# Allegro board 6089-103-RevB_76.brd (continued)
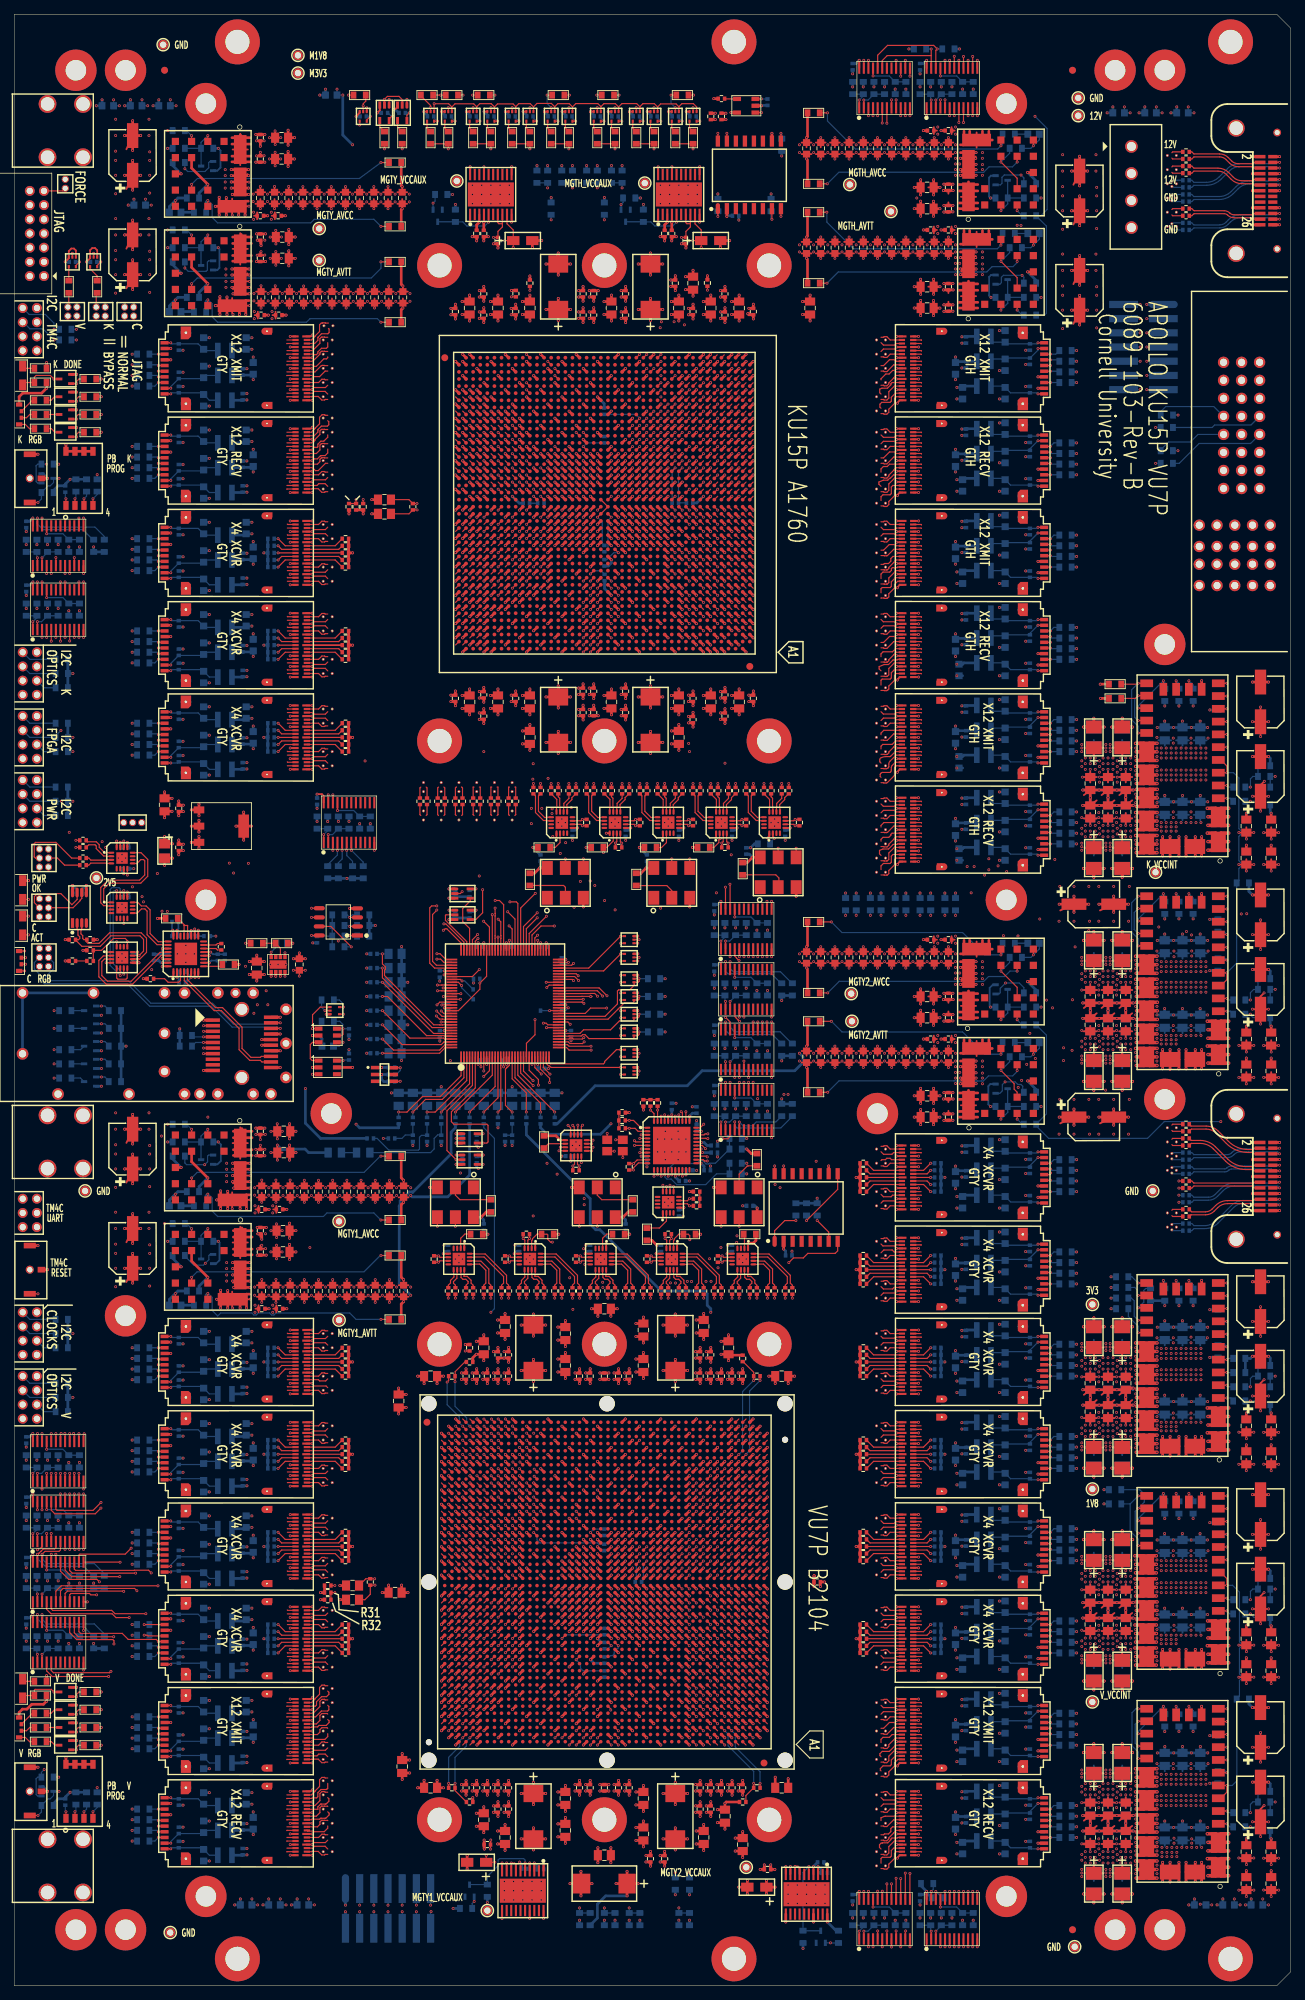
[diagram p0: board, top side]
## Routing (per net, layer and track width the routed paths; a pad name or vN(x,y) marks a point on that pad's centre or on a via; arc(x,y) is an arc through that point) (continued)
N7976167: length 31.1
  TOP w0.165: U15.8 v1(27.3,251.54) ; R74.1 v1(51.7,247.9)
  BOTTOM w0.165: v1(27.3,251.54) 27.36,251.54 27.91,251 27.91,249.17 28.68,248.4 41.8,248.4 42.3,248.9 50.7,248.9 v1(51.7,247.9)
  BOTTOM w0.381: v1(27.3,251.54) 27.06,251.31 R579.1
N7976190: length 1.9
  BOTTOM w0.381: 25.43,249.9 R579.2 C953.1
N7976427: length 29.7
  TOP w0.165: U15.11 v1(25.01,253.83) ; R73.1 v1(51.7,256.9)
  BOTTOM w0.165: v1(51.7,256.9) 48.65,254.65 25.83,254.65 v1(25.01,253.83)
N8075654: length 31.1
  TOP w0.165: U118.8 v1(139.1,259.26) ; R153.1 v1(114.65,263.9)
  BOTTOM w0.165: v1(114.65,263.9) 114.65,262.75 118.6,258.81 138.65,258.81 v1(139.1,259.26) 139.34,259.49 R329.1
N8076002: length 1.8
  BOTTOM w0.165: R329.2 C579.1
N8076188: length 4.6
  TOP w0.165: U118.17 v1(143.68,259.26)
  BOTTOM w0.165: R325.1 143.32,258.9 v1(143.68,259.26) 144.51,260.09 C579.2
N8076282: length 8
  TOP w0.165: U118.10 141.39,254.68 v1(139.1,256.97) U118.7
  BOTTOM w0.165: R325.2 140.34,258.2 v1(139.1,256.97)
N8076364: length 30
  TOP w0.165: R154.1 v1(114.63,253.9) ; U118.11 v1(141.39,256.97)
  BOTTOM w0.165: v1(114.63,253.9) 116.27,255.53 132.52,255.53 132.54,255.51 132.86,255.51 132.88,255.53 133.22,255.53 133.24,255.51 133.56,255.51 133.58,255.53 135.42,255.53 135.44,255.51 136.66,255.51 137.44,256.29 140.72,256.29 141.39,256.95 v1(141.39,256.97)
N8077950: length 30.9
  TOP w0.165: U16.8 v1(27.3,237.54) ; R76.1 v1(51.7,234.4)
  BOTTOM w0.165: v1(27.3,237.54) 27.36,237.54 27.91,237 27.91,235.17 28.69,234.39 28.7,234.4 41.2,234.4 41.7,234.9 51.2,234.9 v1(51.7,234.4)
  BOTTOM w0.381: v1(27.3,237.54) 27.06,237.31 R580.1
N8078298: length 1.9
  BOTTOM w0.381: C954.1 R580.2 25.43,235.9
N8078484: length 4.6
  TOP w0.165: U16.17 v1(22.72,237.54)
  BOTTOM w0.381: C954.2 21.89,236.71 v1(22.72,237.54) 23.08,237.9 R584.1
N8078578: length 8
  TOP w0.165: U16.7 v1(27.3,239.83)
  TOP w0.381: U16.10 25.01,242.12 v1(27.3,239.83)
  BOTTOM w0.381: v1(27.3,239.83) 26.06,238.6 R584.2
N8078660: length 30.4
  TOP w0.165: R75.1 v1(51.7,242.9) ; U16.11 v1(25.01,239.83)
  BOTTOM w0.165: v1(25.01,239.83) 25.81,240.63 50.34,240.63 51.7,241.99 v1(51.7,242.9)
N8080392: length 31.3
  TOP w0.165: R155.1 v1(114.56,249.9) ; U119.8 v1(139.1,245.26)
  BOTTOM w0.165: v1(114.56,249.9) 114.56,248.5 118.33,244.75 138.59,244.75 v1(139.1,245.26) 139.34,245.49 R330.1
N8080740: length 1.8
  BOTTOM w0.165: R330.2 C580.1
N8080926: length 4.6
  TOP w0.165: U119.17 v1(143.68,245.26)
  BOTTOM w0.165: R326.1 143.32,244.9 v1(143.68,245.26) 144.51,246.09 C580.2
N8081020: length 8
  TOP w0.165: U119.7 v1(139.1,242.97) 141.39,240.68 U119.10
  BOTTOM w0.165: v1(139.1,242.97) 140.34,244.2 R326.2
N8081102: length 30
  TOP w0.165: U119.11 v1(141.39,242.97) ; R156.1 v1(114.59,239.9)
  BOTTOM w0.165: v1(141.39,242.97) 141.39,242.81 140.81,242.23 137.86,242.23 137.12,241.49 136.66,241.49 136.66,241.49 136.34,241.49 136.34,241.49 135.76,241.49 135.76,241.49 135.44,241.49 135.44,241.49 133.56,241.49 133.56,241.49 133.24,241.49 133.24,241.49 116.17,241.49 v1(114.59,239.9)
N8091418: length 4.6
  TOP w0.165: U17.17 v1(22.72,111.54)
  BOTTOM w0.381: C957.2 21.89,110.71 v1(22.72,111.54) 23.08,111.9 R585.1
N8091422: length 8
  TOP w0.165: U17.7 v1(27.3,113.83)
  TOP w0.381: v1(27.3,113.83) 25.01,116.12 U17.10
  BOTTOM w0.381: R585.2 26.06,112.6 v1(27.3,113.83)
N8091430: length 31.1
  TOP w0.165: U17.8 v1(27.3,111.54) ; R78.1 v1(51.7,107.9)
  BOTTOM w0.165: v1(27.3,111.54) 27.36,111.54 27.91,111 27.91,109.17 28.69,108.39 28.7,108.4 43.6,108.4 44.1,108.9 50.7,108.9 v1(51.7,107.9)
  BOTTOM w0.381: v1(27.3,111.54) 27.06,111.31 R581.1
N8091438: length 1.9
  BOTTOM w0.381: 25.43,109.9 R581.2 C957.1
N8091448: length 29.9
  TOP w0.165: U17.11 v1(25.01,113.83) ; R77.1 v1(51.7,116.9)
  BOTTOM w0.165: v1(25.01,113.83) 25.8,114.61 49.33,114.61 51.61,116.9 v1(51.7,116.9)
N8091566: length 30.1
  TOP w0.165: U120.8 v1(139.1,145.26) ; 113.5,149.9 R157.1 v1(115.2,149.9)
  BOTTOM w0.165: v1(115.2,149.9) 116.7,148.4 133.7,148.4 136.84,145.26 v1(139.1,145.26) 139.34,145.49 R331.1
N8091578: length 1.8
  BOTTOM w0.165: R331.2 C581.1
N8091654: length 4.6
  TOP w0.165: U120.17 v1(143.68,145.26)
  BOTTOM w0.165: R327.1 143.32,144.9 v1(143.68,145.26) 144.51,146.09 C581.2
N8091666: length 8
  TOP w0.165: U120.10 141.39,140.68 v1(139.1,142.97) U120.7
  BOTTOM w0.165: R327.2 140.34,144.2 v1(139.1,142.97)
N8091686: length 30
  TOP w0.165: U120.11 v1(141.39,142.97) ; v1(114.69,139.9) R158.1 113.5,139.9
  BOTTOM w0.165: v1(141.39,142.97) 140.37,142.97 139.6,142.21 137.35,142.21 136.66,141.51 133.24,141.51 133.22,141.53 132.88,141.53 132.86,141.51 132.54,141.51 132.52,141.53 116.31,141.53 114.69,139.91 v1(114.69,139.9)
N8091776: length 31.5
  TOP w0.165: R80.1 v1(51.7,93.9) ; U18.8 v1(27.3,97.54)
  BOTTOM w0.165: v1(51.7,93.9) 48.2,93.9 47.3,94.8 36.9,94.8 36.61,94.51 36.29,94.51 36,94.8 34.4,94.8 34.11,94.51 33.79,94.51 33.5,94.8 29.11,94.8 28.69,94.39 27.91,95.17 27.91,97 27.36,97.54 v1(27.3,97.54)
  BOTTOM w0.381: v1(27.3,97.54) 27.06,97.31 R582.1
N8091788: length 1.9
  BOTTOM w0.381: 25.43,95.9 R582.2 C958.1
N8091864: length 4.6
  TOP w0.165: U18.17 v1(22.72,97.54)
  BOTTOM w0.381: C958.2 21.89,96.71 v1(22.72,97.54) 23.08,97.9 R586.1
N8091876: length 8
  TOP w0.165: U18.7 v1(27.3,99.83)
  TOP w0.381: v1(27.3,99.83) 25.01,102.12 U18.10
  BOTTOM w0.381: v1(27.3,99.83) 26.06,98.6 R586.2
N8091896: length 29.9
  TOP w0.165: U18.11 v1(25.01,99.83) ; R79.1 v1(51.7,102.9)
  BOTTOM w0.165: v1(51.7,102.9) 51.61,102.9 49.31,100.6 25.78,100.6 v1(25.01,99.83)
N8091986: length 30
  TOP w0.165: R159.1 v1(115.2,135.9) ; U121.8 v1(139.1,131.26)
  BOTTOM w0.165: v1(115.2,135.9) 116.7,134.4 133.7,134.4 136.84,131.26 v1(139.1,131.26) 139.34,131.49 R332.1
N8091998: length 1.8
  BOTTOM w0.165: R332.2 C582.1
N8092074: length 4.6
  TOP w0.165: U121.17 v1(143.68,131.26)
  BOTTOM w0.165: C582.2 144.51,132.09 v1(143.68,131.26) 143.32,130.9 R328.1
N8092086: length 8
  TOP w0.165: U121.7 v1(139.1,128.97) 140.97,127.1 140.97,126.33 141.39,125.91 U121.10
  BOTTOM w0.165: R328.2 140.34,130.2 v1(139.1,128.97)
N8092106: length 30.1
  TOP w0.165: U121.11 v1(141.39,128.97) ; R160.1 v1(114.69,125.9)
  BOTTOM w0.165: v1(114.69,125.9) 114.69,125.92 116.28,127.5 132.46,127.5 132.49,127.54 132.51,127.54 132.54,127.51 132.86,127.51 132.89,127.54 132.91,127.54 132.96,127.48 133.24,127.48 133.24,127.49 133.56,127.49 133.56,127.48 135.44,127.48 135.44,127.49 135.76,127.49 135.76,127.48 136.34,127.48 136.34,127.49 136.64,127.49 137.35,128.21 140.76,128.21 141.39,128.84 v1(141.39,128.97)
N8123980: length 2.9
  TOP w0.165: U124.17 v1(158.45,99.03)
  BOTTOM w0.165: R251.1 157.57,99.9 v1(158.45,99.03)
N8123984: length 3.4
  TOP w0.165: U124.18 v1(158.45,97.28)
  BOTTOM w0.165: R252.1 157.97,98.4 158.3,98.07 158.3,97.42 v1(158.45,97.28)
N8124132: length 2.5
  TOP w0.165: U124.9 v1(170.95,93.62)
  BOTTOM w0.165: v1(170.95,93.62) 170.87,93.54 R230.1
N8124142: length 2.6
  TOP w0.165: U124.14 v1(165.6,99.38)
  BOTTOM w0.165: R237.1 166.2,98.78 v1(165.6,99.38)
N8124144: length 2.4
  TOP w0.165: U124.16 v1(162,99.38)
  BOTTOM w0.165: v1(162,99.38) 162.2,99.18 R247.1
N8124154: length 2.5
  TOP w0.165: U124.15 v1(163.8,99.38)
  BOTTOM w0.165: R242.1 164.2,98.98 v1(163.8,99.38)
N8127938: length 45.2
  TOP w0.165: U125.21 v1(158.45,62.02) ; U125.17 v1(158.45,69.03) ; U126.21 v1(158.45,32.02) ; U126.17 v1(158.45,39.02)
  SIG3 w0.079: v1(158.45,62.02) 158.45,61.86 158.74,61.56 158.74,39.32 v1(158.45,39.02)
  BOTTOM w0.165: R256.1 157.32,67.9 ; 157.32,67.9 157.32,64.06 157.4,63.98 157.4,63.98 158.45,62.94 v1(158.45,62.02) ; 157.32,67.9 v1(158.45,69.03) ; v1(158.45,32.02) 158.45,32.95 157.58,33.81 157.58,38.49 158.12,39.02 v1(158.45,39.02)
N8127940: length 45.4
  TOP w0.165: U126.20 v1(158.45,33.77) ; U125.20 v1(158.45,63.77) ; U126.18 v1(158.45,37.27) ; U125.18 v1(158.45,67.28)
  SIG1 w0.079: v1(158.45,63.77) 159.05,63.17 159.05,38.41 158.45,37.81 v1(158.45,37.27)
  BOTTOM w0.165: v1(158.45,33.77) 158.03,34.19 158.03,36.86 v1(158.45,37.27) ; R255.1 158.67,69.9 159.31,69.25 159.31,68.14 v1(158.45,67.28) 158.03,66.86 158.03,64.19 v1(158.45,63.77)
N8127968: length 8.9
  TOP w0.165: U125.19 v1(158.45,65.53) ; v1(162,69.37) U125.16 162,68.17
  BOTTOM w0.165: 162.2,68.26 R248.1 162.2,69.17 v1(162,69.37) 158.45,65.82 v1(158.45,65.53)
N8128040: length 2.5
  TOP w0.165: 163.8,68.17 U125.15 v1(163.8,69.37)
  BOTTOM w0.165: v1(163.8,69.37) 164.2,68.97 R243.1 164.2,68.26
N8128044: length 2.6
  TOP w0.165: 165.6,68.17 U125.14 v1(165.6,69.37)
  BOTTOM w0.165: v1(165.6,69.37) 166.2,68.77 R238.1 166.2,68.26
N8128048: length 2.5
  TOP w0.165: U125.9 v1(170.95,63.62)
  BOTTOM w0.165: R232.1 170.87,63.54 v1(170.95,63.62)
N8128386: length 2.5
  TOP w0.165: U126.9 v1(170.95,33.62)
  BOTTOM w0.165: v1(170.95,33.62) 170.87,33.54 R233.1
N8128396: length 2.6
  TOP w0.165: U126.14 v1(165.6,39.38)
  BOTTOM w0.165: R239.1 166.2,38.78 v1(165.6,39.38)
N8128398: length 8.9
  TOP w0.165: U126.16 v1(162,39.38) ; U126.19 v1(158.45,35.52)
  BOTTOM w0.165: v1(158.45,35.52) 158.45,35.83 v1(162,39.38) 162.2,39.18 R249.1
N8128408: length 2.5
  TOP w0.165: U126.15 v1(163.8,39.38)
  BOTTOM w0.165: v1(163.8,39.38) 164.2,38.98 R244.1
N8128418: length 34.8
  TOP w0.165: U125.7 v1(170.95,60.02) ; U126.7 v1(170.95,30.02)
  SIG2 w0.079: v1(170.95,60.02) 171.01,60.02 172.13,58.91 172.13,31.21 v1(170.95,30.02)
  BOTTOM w0.165: v1(170.95,30.02) 170.72,30.26 R234.1
N8128424: length 33.3
  TOP w0.165: U126.8 v1(170.95,31.82) ; U125.8 v1(170.95,61.83)
  SIG2 w0.079: v1(170.95,31.82) 169.97,32.81 169.97,60.97 170.82,61.83 v1(170.95,61.83)
N8133874: length 5.1
  TOP w0.165: U124.19 v1(158.45,95.53)
  BOTTOM w0.165: R250.1 159.53,98.26 159.24,97.97 159.24,96.32 v1(158.45,95.53)
N8134441: length 5.2
  TOP w0.165: U124.21 v1(158.45,92.03)
  BOTTOM w0.165: R254.1 157.06,94.32 158.45,92.94 v1(158.45,92.03)
N8134986: length 5.2
  TOP w0.165: U124.20 v1(158.45,93.78)
  BOTTOM w0.165: R253.1 157.5,96.9 157.9,96.51 157.9,94.33 v1(158.45,93.78)
N8299030: length 8
  TOP w0.165: U24.1 v1(22.07,179.5)
  BOTTOM w0.165: L59.2 26.89,178.4 C896.1 25.94,179.35 C932.1 22.22,179.35 v1(22.07,179.5)
N8299058: length 8
  TOP w0.165: U24.10 v1(22.07,172.3)
  BOTTOM w0.165: L61.2 27.51,171.4 C898.1 26.46,172.45 C934.1 23.05,172.3 v1(22.07,172.3)
N8299166: length 8.4
  TOP w0.165: U24.9 v1(22.07,173.1)
  BOTTOM w0.165: L60.2 27.01,174.9 C897.1 26.56,174.45 C933.1 22.07,173.32 v1(22.07,173.1)
N8299280: length 3.4
  TOP w0.165: v1(37.21,173.9) 38.21,174.9 U24.B12
  BOTTOM w0.165: R554.2 v1(37.21,173.9)
N8299282: length 3.2
  TOP w0.165: U24.B11 37.71,175.4 v1(37.21,174.9)
  BOTTOM w0.165: R553.2 v1(37.21,174.9)
N8299284: length 3
  TOP w0.165: U24.B10 v1(37.21,175.9)
  BOTTOM w0.165: R552.2 v1(37.21,175.9)
N8299286: length 3.2
  TOP w0.165: U24.B9 37.71,176.4 v1(37.21,176.9)
  BOTTOM w0.165: R551.2 v1(37.21,176.9)
N8299288: length 3.4
  TOP w0.165: U24.B8 38.21,176.9 v1(37.21,177.9)
  BOTTOM w0.165: R550.2 v1(37.21,177.9)
N8299290: length 5.4
  TOP w0.165: U24.A12 45.25,174.9 R47.2
N8299292: length 5.2
  TOP w0.165: U24.A11 45.75,175.4 R46.2
N8299294: length 5.1
  TOP w0.165: U24.A10 R45.2
N8299296: length 5.2
  TOP w0.165: U24.A9 45.75,176.4 R44.2
N8299298: length 5.4
  TOP w0.165: U24.A8 45.25,176.9 R43.2
N8304104: length 6.6
  TOP w0.165: U97.2 107.8,154.9 107.8,156.1 107.36,156.54 R144.1
N8304200: length 6.6
  TOP w0.165: U59.2 77.7,153.31 77.7,154.78 77.45,155.04 R103.1
N8379593: length 8
  TOP w0.165: U112.1 v1(144.33,84.3)
  BOTTOM w0.165: L31.2 139.51,85.4 C651.1 140.46,84.45 C609.1 143.35,84.3 v1(144.33,84.3)
N8379621: length 8.4
  TOP w0.165: U112.10 v1(144.33,91.5)
  BOTTOM w0.165: v1(144.33,91.5) 144.18,91.35 C607.1 139.94,91.35 C649.1 137.87,91.59 137.7,91.75 L29.2
N8379729: length 8.4
  TOP w0.165: U112.9 v1(144.33,90.7)
  BOTTOM w0.165: v1(144.33,90.7) 143.2,89.57 C608.1 139.84,89.35 C650.1 138.01,89.21 L30.2
N8379843: length 3.4
  TOP w0.165: v1(129.19,89.9) 128.19,88.9 U112.B12
  BOTTOM w0.165: R358.2 v1(129.19,89.9)
N8379845: length 3.2
  TOP w0.165: U112.B11 128.69,88.4 v1(129.19,88.9)
  BOTTOM w0.165: R359.2 v1(129.19,88.9)
N8379847: length 3
  TOP w0.165: U112.B10 v1(129.19,87.9)
  BOTTOM w0.165: R360.2 v1(129.19,87.9)
N8379849: length 3.2
  TOP w0.165: v1(129.19,86.9) 128.69,87.4 U112.B9
  BOTTOM w0.165: R361.2 v1(129.19,86.9)
N8379851: length 3.4
  TOP w0.165: v1(129.19,85.9) 128.19,86.9 U112.B8
  BOTTOM w0.165: R362.2 v1(129.19,85.9)
N8379853: length 5.4
  TOP w0.165: U112.A12 121.15,88.9 R171.2
N8379855: length 5.2
  TOP w0.165: U112.A11 120.65,88.4 R172.2
N8379857: length 5.1
  TOP w0.165: U112.A10 R173.2
N8379859: length 5.2
  TOP w0.165: R174.2 120.65,87.4 U112.A9
N8379861: length 5.4
  TOP w0.165: U112.A8 121.15,86.9 R175.2
N8381659: length 8
  TOP w0.165: U113.1 v1(144.33,71.3)
  BOTTOM w0.165: L34.2 139.51,72.4 C654.1 140.46,71.45 C612.1 143.35,71.3 v1(144.33,71.3)
N8381687: length 8.4
  TOP w0.165: U113.10 v1(144.33,78.5)
  BOTTOM w0.165: L32.2 137.7,78.75 137.87,78.59 C652.1 139.94,78.35 C610.1 144.18,78.35 v1(144.33,78.5)
N8381795: length 8.4
  TOP w0.165: U113.9 v1(144.33,77.7)
  BOTTOM w0.165: L33.2 138.01,76.21 C653.1 139.84,76.35 C611.1 143.2,76.57 v1(144.33,77.7)
N8381909: length 3.4
  TOP w0.165: U113.B12 128.19,75.9 v1(129.19,76.9)
  BOTTOM w0.165: R363.2 v1(129.19,76.9)
N8381911: length 3.2
  TOP w0.165: U113.B11 128.69,75.4 v1(129.19,75.9)
  BOTTOM w0.165: R364.2 v1(129.19,75.9)
N8381913: length 3
  TOP w0.165: U113.B10 v1(129.19,74.9)
  BOTTOM w0.165: R365.2 v1(129.19,74.9)
N8381915: length 3.2
  TOP w0.165: v1(129.19,73.9) 128.69,74.4 U113.B9
  BOTTOM w0.165: R366.2 v1(129.19,73.9)
N8381917: length 3.4
  TOP w0.165: U113.B8 128.19,73.9 v1(129.19,72.9)
  BOTTOM w0.165: R367.2 v1(129.19,72.9)
N8381919: length 5.4
  TOP w0.165: R176.2 121.15,75.9 U113.A12
N8381921: length 5.2
  TOP w0.165: U113.A11 120.65,75.4 R177.2
N8381923: length 5.1
  TOP w0.165: U113.A10 R178.2
N8381925: length 5.2
  TOP w0.165: U113.A9 120.65,74.4 R179.2
N8381927: length 5.4
  TOP w0.165: R180.2 121.15,73.9 U113.A8
N8383725: length 8
  TOP w0.165: U114.1 v1(144.33,58.3)
  BOTTOM w0.165: v1(144.33,58.3) 143.35,58.3 C615.1 140.46,58.45 C657.1 139.51,59.4 L37.2
N8383753: length 8.4
  TOP w0.165: U114.10 v1(144.33,65.5)
  BOTTOM w0.165: v1(144.33,65.5) 144.18,65.35 C613.1 139.94,65.35 C655.1 137.87,65.59 137.7,65.75 L35.2
N8383861: length 8.4
  TOP w0.165: U114.9 v1(144.33,64.7)
  BOTTOM w0.165: L36.2 138.01,63.21 C656.1 139.84,63.35 C614.1 143.2,63.57 v1(144.33,64.7)
N8383975: length 3.4
  TOP w0.165: U114.B12 128.19,62.9 v1(129.19,63.9)
  BOTTOM w0.165: R368.2 v1(129.19,63.9)
N8383977: length 3.2
  TOP w0.165: U114.B11 128.69,62.4 v1(129.19,62.9)
  BOTTOM w0.165: R369.2 v1(129.19,62.9)
N8383979: length 3
  TOP w0.165: U114.B10 v1(129.19,61.9)
  BOTTOM w0.165: R370.2 v1(129.19,61.9)
N8383981: length 3.2
  TOP w0.165: v1(129.19,60.9) 128.69,61.4 U114.B9
  BOTTOM w0.165: R371.2 v1(129.19,60.9)
N8383983: length 3.4
  TOP w0.165: v1(129.19,59.9) 128.19,60.9 U114.B8
  BOTTOM w0.165: R372.2 v1(129.19,59.9)
N8383985: length 5.4
  TOP w0.165: R181.2 121.15,62.9 U114.A12
N8383987: length 5.2
  TOP w0.165: R182.2 120.65,62.4 U114.A11
N8383989: length 5.1
  TOP w0.165: U114.A10 R183.2
N8383991: length 5.2
  TOP w0.165: R184.2 120.65,61.4 U114.A9
N8383993: length 5.4
  TOP w0.165: U114.A8 121.15,60.9 R185.2
N8385791: length 8
  TOP w0.165: U115.1 v1(144.33,45.3)
  BOTTOM w0.165: v1(144.33,45.3) 143.35,45.3 C618.1 140.46,45.45 C660.1 139.51,46.4 L40.2
N8385819: length 8.4
  TOP w0.165: U115.10 v1(144.33,52.5)
  BOTTOM w0.165: v1(144.33,52.5) 144.18,52.35 C616.1 139.94,52.35 C658.1 137.87,52.59 137.7,52.75 L38.2
N8385927: length 8.4
  TOP w0.165: U115.9 v1(144.33,51.7)
  BOTTOM w0.165: v1(144.33,51.7) 143.2,50.57 C617.1 139.84,50.35 C659.1 138.01,50.21 L39.2
N8386041: length 3.4
  TOP w0.165: v1(129.19,50.9) 128.19,49.9 U115.B12
  BOTTOM w0.165: R373.2 v1(129.19,50.9)
N8386043: length 3.2
  TOP w0.165: v1(129.19,49.9) 128.69,49.4 U115.B11
  BOTTOM w0.165: R374.2 v1(129.19,49.9)
N8386045: length 3
  TOP w0.165: U115.B10 v1(129.19,48.9)
  BOTTOM w0.165: R375.2 v1(129.19,48.9)
N8386047: length 3.2
  TOP w0.165: U115.B9 128.69,48.4 v1(129.19,47.9)
  BOTTOM w0.165: R376.2 v1(129.19,47.9)
N8386049: length 3.4
  TOP w0.165: U115.B8 128.19,47.9 v1(129.19,46.9)
  BOTTOM w0.165: R377.2 v1(129.19,46.9)
N8386051: length 5.4
  TOP w0.165: R186.2 121.15,49.9 U115.A12
N8386053: length 5.2
  TOP w0.165: U115.A11 120.65,49.4 R187.2
N8386055: length 5.1
  TOP w0.165: U115.A10 R188.2
N8386057: length 5.2
  TOP w0.165: U115.A9 120.65,48.4 R189.2
N8386059: length 5.4
  TOP w0.165: R190.2 121.15,47.9 U115.A8
N8396121: length 8
  TOP w0.165: U25.1 v1(22.07,91.5)
  BOTTOM w0.165: v1(22.07,91.5) 22.22,91.35 C935.1 25.94,91.35 C899.1 26.89,90.4 L62.2
N8396149: length 8
  TOP w0.165: U25.10 v1(22.07,84.3)
  BOTTOM w0.165: L64.2 27.51,83.4 C901.1 26.46,84.45 C937.1 22.22,84.45 v1(22.07,84.3)
N8396257: length 8.4
  TOP w0.165: U25.9 v1(22.07,85.1)
  BOTTOM w0.165: v1(22.07,85.1) 22.07,85.32 C936.1 26.56,86.45 C900.1 27.01,86.9 L63.2
N8396371: length 3.4
  TOP w0.165: v1(37.21,85.9) 38.21,86.9 U25.B12
  BOTTOM w0.165: R559.2 v1(37.21,85.9)
N8396373: length 3.2
  TOP w0.165: U25.B11 37.71,87.4 v1(37.21,86.9)
  BOTTOM w0.165: R558.2 v1(37.21,86.9)
N8396375: length 3
  TOP w0.165: U25.B10 v1(37.21,87.9)
  BOTTOM w0.165: R557.2 v1(37.21,87.9)
N8396377: length 3.2
  TOP w0.165: v1(37.21,88.9) 37.71,88.4 U25.B9
  BOTTOM w0.165: R556.2 v1(37.21,88.9)
N8396379: length 3.4
  TOP w0.165: v1(37.21,89.9) 38.21,88.9 U25.B8
  BOTTOM w0.165: R555.2 v1(37.21,89.9)
N8396381: length 5.4
  TOP w0.165: R52.2 45.25,86.9 U25.A12
N8396383: length 5.2
  TOP w0.165: U25.A11 45.75,87.4 R51.2
N8396385: length 5.1
  TOP w0.165: U25.A10 R50.2
N8396387: length 5.2
  TOP w0.165: U25.A9 45.75,88.4 R49.2
N8396389: length 5.4
  TOP w0.165: R48.2 45.25,88.9 U25.A8
N8398187: length 8
  TOP w0.165: U26.1 v1(22.07,78.5)
  BOTTOM w0.165: L65.2 26.89,77.4 C902.1 25.94,78.35 C938.1 22.22,78.35 v1(22.07,78.5)
N8398215: length 8
  TOP w0.165: U26.10 v1(22.07,71.3)
  BOTTOM w0.165: L67.2 27.51,70.4 C904.1 26.46,71.45 C940.1 22.22,71.45 v1(22.07,71.3)
N8398323: length 8.4
  TOP w0.165: U26.9 v1(22.07,72.1)
  BOTTOM w0.165: L66.2 27.01,73.9 C903.1 26.56,73.45 C939.1 22.07,72.32 v1(22.07,72.1)
N8398437: length 3.4
  TOP w0.165: v1(37.21,72.9) 38.21,73.9 U26.B12
  BOTTOM w0.165: R564.2 v1(37.21,72.9)
N8398439: length 3.2
  TOP w0.165: v1(37.21,73.9) 37.71,74.4 U26.B11
  BOTTOM w0.165: R563.2 v1(37.21,73.9)
N8398441: length 3
  TOP w0.165: U26.B10 v1(37.21,74.9)
  BOTTOM w0.165: R562.2 v1(37.21,74.9)
N8398443: length 3.2
  TOP w0.165: U26.B9 37.71,75.4 v1(37.21,75.9)
  BOTTOM w0.165: R561.2 v1(37.21,75.9)
N8398445: length 3.4
  TOP w0.165: U26.B8 38.21,75.9 v1(37.21,76.9)
  BOTTOM w0.165: R560.2 v1(37.21,76.9)
N8398447: length 5.4
  TOP w0.165: U26.A12 45.25,73.9 R57.2
N8398449: length 5.2
  TOP w0.165: U26.A11 45.75,74.4 R56.2
N8398451: length 5.1
  TOP w0.165: U26.A10 R55.2
N8398453: length 5.2
  TOP w0.165: U26.A9 45.75,75.4 R54.2
N8398455: length 5.4
  TOP w0.165: U26.A8 45.25,75.9 R53.2
N8400253: length 8
  TOP w0.165: U27.1 v1(22.07,65.5)
  BOTTOM w0.165: L68.2 26.89,64.4 C905.1 25.94,65.35 C941.1 22.22,65.35 v1(22.07,65.5)
N8400281: length 8
  TOP w0.165: U27.10 v1(22.07,58.3)
  BOTTOM w0.165: L70.2 27.51,57.4 C907.1 26.46,58.45 C943.1 22.22,58.45 v1(22.07,58.3)
N8400389: length 8.4
  TOP w0.165: U27.9 v1(22.07,59.1)
  BOTTOM w0.165: v1(22.07,59.1) 22.07,59.32 C942.1 26.56,60.45 C906.1 27.01,60.9 L69.2
N8400503: length 3.4
  TOP w0.165: v1(37.21,59.9) 38.21,60.9 U27.B12
  BOTTOM w0.165: R569.2 v1(37.21,59.9)
N8400505: length 3.2
  TOP w0.165: U27.B11 37.71,61.4 v1(37.21,60.9)
  BOTTOM w0.165: R568.2 v1(37.21,60.9)
N8400507: length 3
  TOP w0.165: U27.B10 v1(37.21,61.9)
  BOTTOM w0.165: R567.2 v1(37.21,61.9)
N8400509: length 3.2
  TOP w0.165: U27.B9 37.71,62.4 v1(37.21,62.9)
  BOTTOM w0.165: R566.2 v1(37.21,62.9)
N8400511: length 3.4
  TOP w0.165: v1(37.21,63.9) 38.21,62.9 U27.B8
  BOTTOM w0.165: R565.2 v1(37.21,63.9)
N8400513: length 5.4
  TOP w0.165: U27.A12 45.25,60.9 R62.2
N8400515: length 5.2
  TOP w0.165: R61.2 45.75,61.4 U27.A11
N8400517: length 5.1
  TOP w0.165: U27.A10 R60.2
N8400519: length 5.2
  TOP w0.165: U27.A9 45.75,62.4 R59.2
N8400521: length 5.4
  TOP w0.165: U27.A8 45.25,62.9 R58.2
N8404385: length 8
  TOP w0.165: U28.1 v1(22.07,52.5)
  BOTTOM w0.165: L71.2 26.89,51.4 C908.1 25.94,52.35 C944.1 22.22,52.35 v1(22.07,52.5)
N8404413: length 8
  TOP w0.165: U28.10 v1(22.07,45.3)
  BOTTOM w0.165: v1(22.07,45.3) 22.22,45.45 C946.1 26.46,45.45 C910.1 27.51,44.4 L73.2
N8404521: length 8.4
  TOP w0.165: U28.9 v1(22.07,46.1)
  BOTTOM w0.165: v1(22.07,46.1) 22.07,46.32 C945.1 26.56,47.45 C909.1 27.01,47.9 L72.2
N8404635: length 3.4
  TOP w0.165: U28.B12 38.21,47.9 v1(37.21,46.9)
  BOTTOM w0.165: R574.2 v1(37.21,46.9)
N8404637: length 3.2
  TOP w0.165: U28.B11 37.71,48.4 v1(37.21,47.9)
  BOTTOM w0.165: R573.2 v1(37.21,47.9)
N8404639: length 3
  TOP w0.165: U28.B10 v1(37.21,48.9)
  BOTTOM w0.165: R572.2 v1(37.21,48.9)
N8404641: length 3.2
  TOP w0.165: v1(37.21,49.9) 37.71,49.4 U28.B9
  BOTTOM w0.165: R571.2 v1(37.21,49.9)
N8404643: length 3.4
  TOP w0.165: U28.B8 38.21,49.9 v1(37.21,50.9)
  BOTTOM w0.165: R570.2 v1(37.21,50.9)
N8404645: length 5.4
  TOP w0.165: R67.2 45.25,47.9 U28.A12
N8404647: length 5.2
  TOP w0.165: R66.2 45.75,48.4 U28.A11
N8404649: length 5.1
  TOP w0.165: U28.A10 R65.2
N8404651: length 5.2
  TOP w0.165: R64.2 45.75,49.4 U28.A9
N8404653: length 5.4
  TOP w0.165: U28.A8 45.25,49.9 R63.2
N8412649: length 8
  TOP w0.165: U110.1 v1(144.33,110.3)
  BOTTOM w0.165: L25.2 139.51,111.4 C645.1 140.46,110.45 C603.1 144.18,110.45 v1(144.33,110.3)
N8412677: length 8.4
  TOP w0.165: U110.10 v1(144.33,117.5)
  BOTTOM w0.165: L23.2 137.7,117.75 137.87,117.59 C643.1 139.94,117.35 C601.1 144.18,117.35 v1(144.33,117.5)
N8412785: length 8.4
  TOP w0.165: U110.9 v1(144.33,116.7)
  BOTTOM w0.165: L24.2 138.01,115.21 C644.1 139.84,115.35 C602.1 143.2,115.57 v1(144.33,116.7)
N8412899: length 3.4
  TOP w0.165: v1(129.19,115.9) 128.19,114.9 U110.B12
  BOTTOM w0.165: R348.2 v1(129.19,115.9)
N8412901: length 3.2
  TOP w0.165: v1(129.19,114.9) 128.69,114.4 U110.B11
  BOTTOM w0.165: R349.2 v1(129.19,114.9)
N8412903: length 3
  TOP w0.165: U110.B10 v1(129.19,113.9)
  BOTTOM w0.165: R350.2 v1(129.19,113.9)
N8412905: length 3.2
  TOP w0.165: U110.B9 128.69,113.4 v1(129.19,112.9)
  BOTTOM w0.165: R351.2 v1(129.19,112.9)
N8412907: length 3.4
  TOP w0.165: U110.B8 128.19,112.9 v1(129.19,111.9)
  BOTTOM w0.165: R352.2 v1(129.19,111.9)
N8412909: length 5.4
  TOP w0.165: R161.2 121.15,114.9 U110.A12
N8412911: length 5.2
  TOP w0.165: R162.2 120.65,114.4 U110.A11
N8412913: length 5.1
  TOP w0.165: U110.A10 R163.2
N8412915: length 5.2
  TOP w0.165: U110.A9 120.65,113.4 R164.2
N8412917: length 5.4
  TOP w0.165: U110.A8 121.15,112.9 R165.2
N8755381: length 2.6
  TOP w0.165: C14.1 28.65,146.85 28.45,146.65 U14.15
N8755388: length 2.6
  TOP w0.165: U14.14 28.45,146.15 28.65,145.95 C14.2
N8755779: length 2.7
  TOP w0.165: U14.9 29.09,143.65 R27.1
N8755879: length 4.9
  TOP w0.165: 23.95,149.4 24.45,149.4 U14.20 ; 23.95,149.4 23.95,149.51 R26.1 ; 23.95,149.4 U14.21
N8799713: length 5.4
  TOP w0.165: C9.1 21.2,141.9 21.7,141.4 23.2,141.4 23.45,141.65 U14.3
N8973377: length 3
  TOP w0.165: U12.1 v1(12.96,145.65) ; U12.4 12.99,144.15 12.98,144.16 v1(12.96,144.16)
  BOTTOM w0.165: v1(12.96,145.65) v1(12.96,144.16)
N8973389: length 4.4
  TOP w0.165: U12.8 15.93,143.38 15.93,142 15.76,141.84 14.62,141.84 14.45,142 U12.5
N9013614: length 8
  TOP w0.165: U12.13 v1(15.95,147.11) 15.95,147.28 15.65,147.57 13.99,147.57 12.31,145.9 R19.1 R20.1
N9014994: length 4.8
  TOP w0.165: J9.5 4.84,158.91 6.09,158.91 7.1,157.9 C4.2
N9015008: length 10.1
  TOP w0.165: 3.56,158.9 2.99,158.9 2.83,159.07 2.83,160.94 2.99,161.11 5.88,161.11 8.09,158.9 C3.2
N9069787: length 23.2
  TOP w0.165: U2.18 v1(6.53,197.8) ; 3.92,205.7 v1(3.92,206.8)
  SIG3 w0.079: v1(6.53,197.8) 6.53,202.89 6.54,202.91 6.54,204.18 v1(3.92,206.8)
  BOTTOM w0.165: v1(3.92,206.8) 3.94,206.79 3.94,205.81 4.21,205.53 11.38,205.53 12.7,204.22 R650.1
N9069799: length 23.6
  TOP w0.165: U1.23 v1(3.27,206.8) ; U2.17 v1(7.17,197.8)
  SIG3 w0.079: v1(7.17,197.8) 6.77,197.4 6.3,197.4 5.9,197.8 5.9,200.5 3.6,202.79 3.6,206.47 v1(3.27,206.8)
  BOTTOM w0.165: R655.1 11.09,203.76 9.68,205.18 4.08,205.18 3.23,206.02 3.23,206.76 v1(3.27,206.8)
N9079797: length 14.5
  TOP w0.165: 121.72,270.2 121.72,272.01 123.11,273.4 129.62,273.4 v1(130.13,272.9) 129.93,272.7 129.93,270.2
  BOTTOM w0.165: R344.1 v1(130.13,272.9)
N9079817: length 11.7
  TOP w0.165: v1(129.27,272.9) 129.28,272.9 129.28,271.96 ; 129.28,271.96 123.07,271.96 122.38,271.27 U100.19 ; 129.28,271.96 129.28,270.2
  BOTTOM w0.165: R383.1 v1(129.27,272.9)